# EAGLE board Mk4 Final a Panel score (EAGLE 9.0.1), part 2 of 24 (continued)
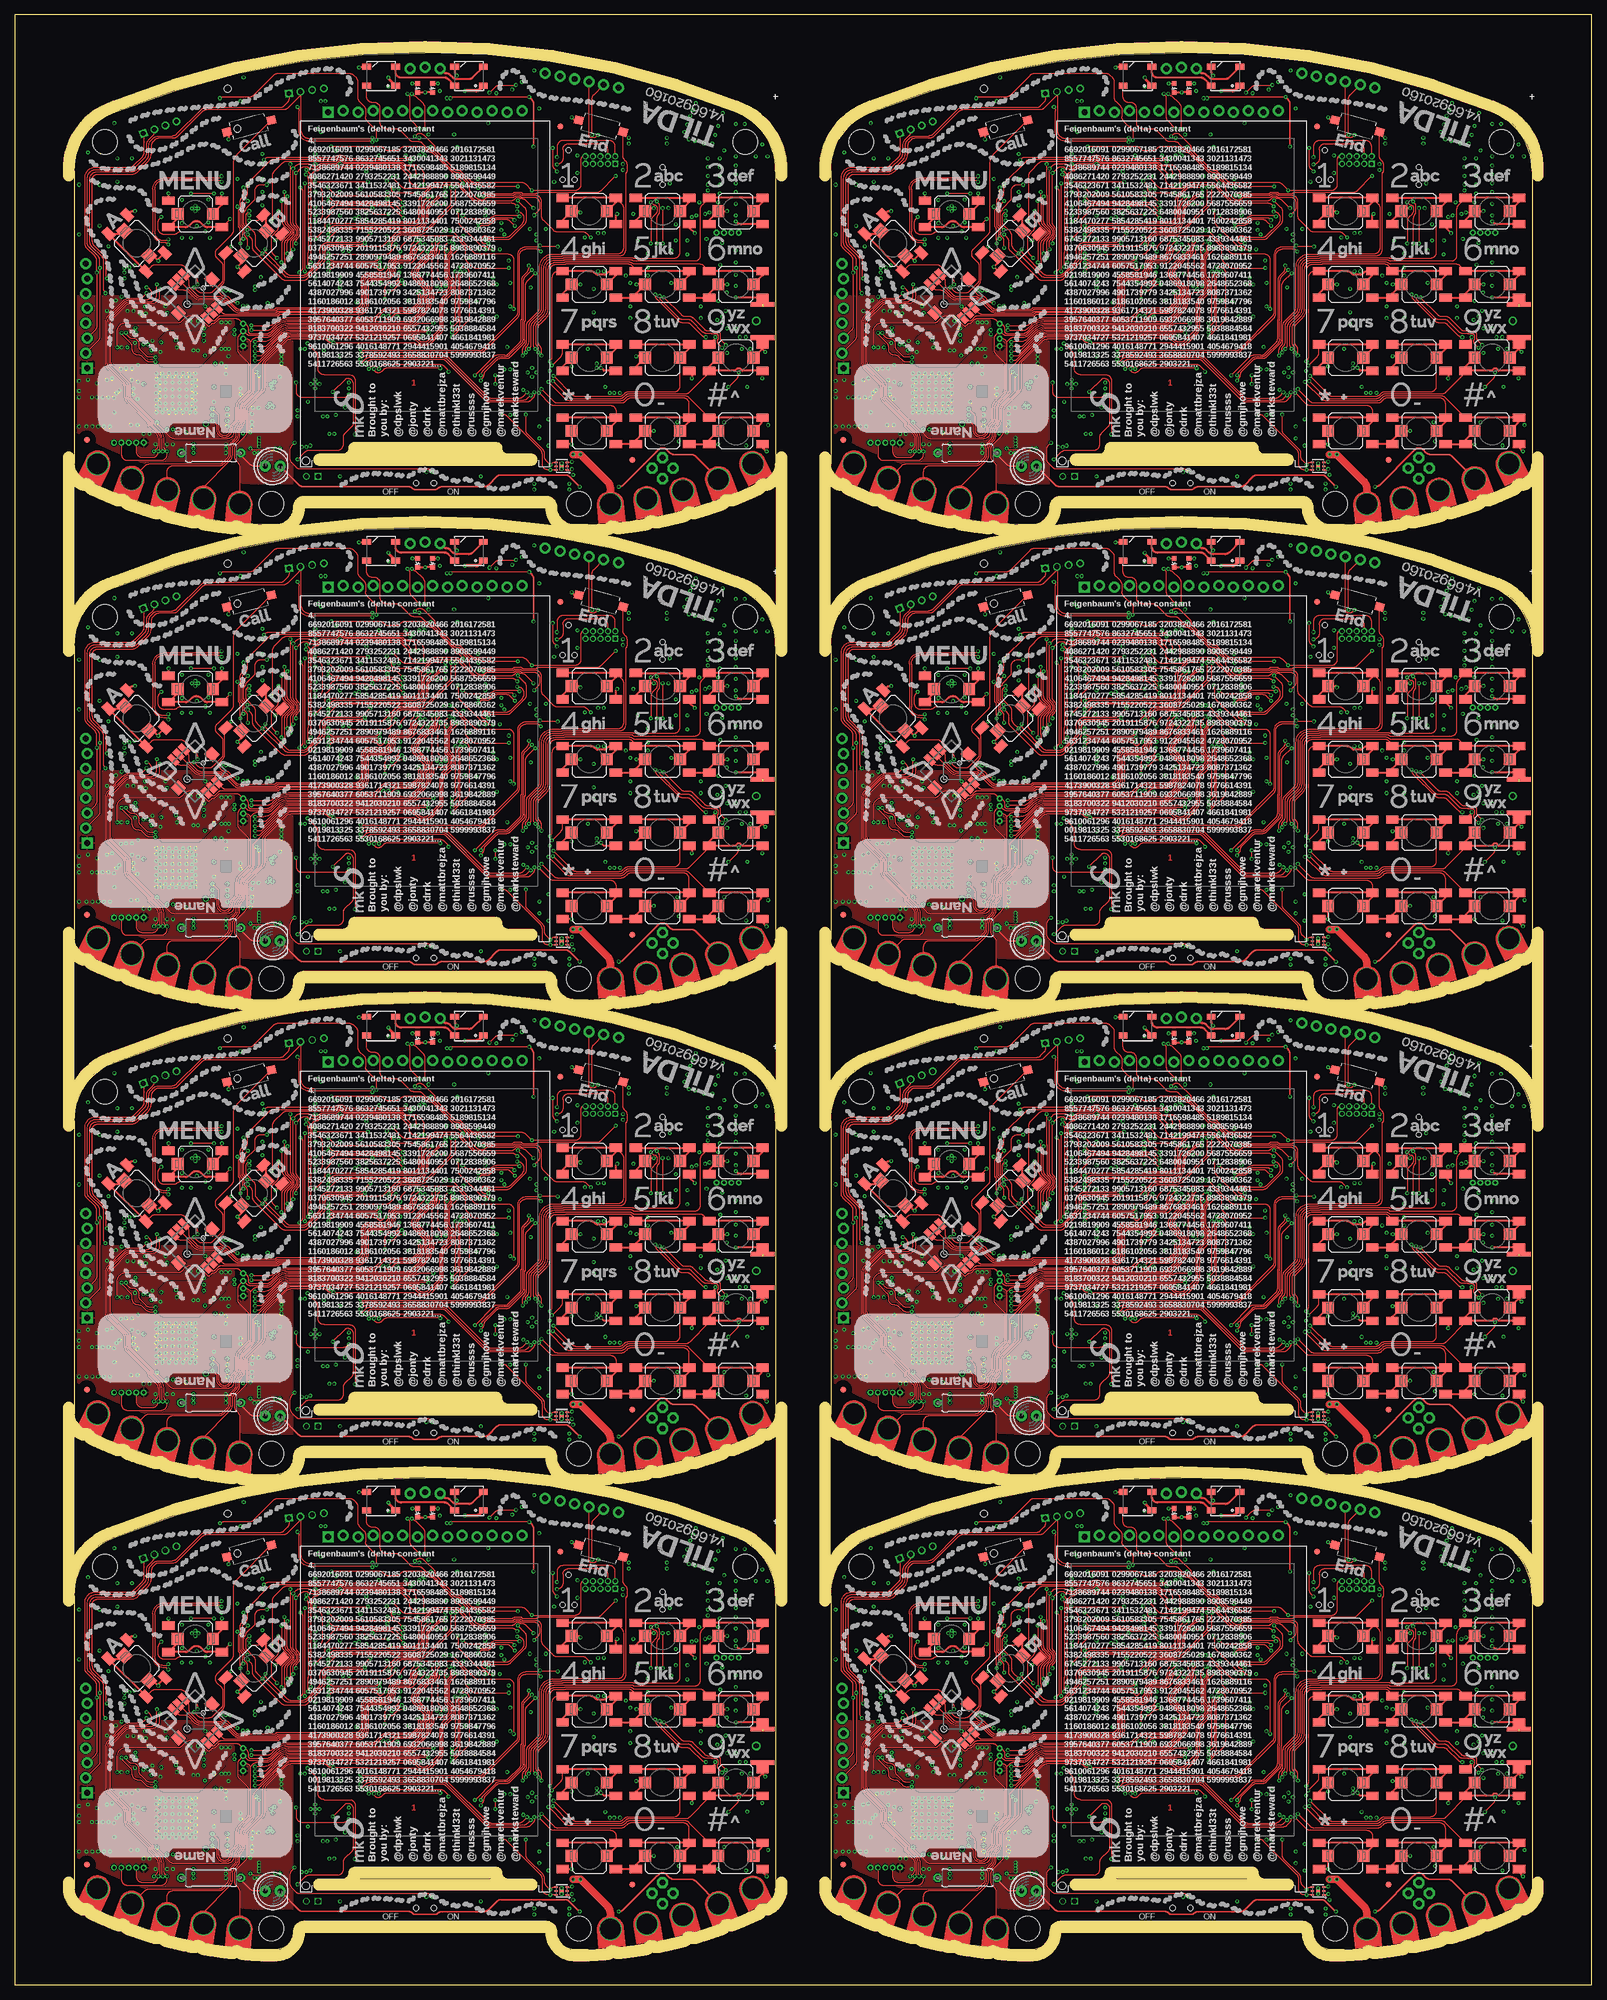
[diagram p0: board, top side]
## Placement (x,y rotation side) (continued)
FID29  FIDUCIAL1X2.5-STOP  [FIDUCIAL-1X2.5-STOP]  12.3,182.5 180 bottom
FID30  FIDUCIAL1X2.5-STOP  [FIDUCIAL-1X2.5-STOP]  12.3,182.5 180 top
FID31  FIDUCIAL1X2.5-STOP  [FIDUCIAL-1X2.5-STOP]  234.3,179.1 270 top
FID32  FIDUCIAL1X2.5-STOP  [FIDUCIAL-1X2.5-STOP]  222.1,235.9 180 bottom
FID33  FIDUCIAL1X2.5-STOP  [FIDUCIAL-1X2.5-STOP]  222.1,235.9 180 top
FID34  FIDUCIAL1X2.5-STOP  [FIDUCIAL-1X2.5-STOP]  234.3,179.1 270 bottom
FID35  FIDUCIAL1X2.5-STOP  [FIDUCIAL-1X2.5-STOP]  141.3,182.5 180 bottom
FID36  FIDUCIAL1X2.5-STOP  [FIDUCIAL-1X2.5-STOP]  141.3,182.5 180 top
FID37  FIDUCIAL1X2.5-STOP  [FIDUCIAL-1X2.5-STOP]  105.3,260.1 270 top
FID38  FIDUCIAL1X2.5-STOP  [FIDUCIAL-1X2.5-STOP]  93.1,316.9 180 bottom
FID39  FIDUCIAL1X2.5-STOP  [FIDUCIAL-1X2.5-STOP]  93.1,316.9 180 top
FID40  FIDUCIAL1X2.5-STOP  [FIDUCIAL-1X2.5-STOP]  105.3,260.1 270 bottom
FID41  FIDUCIAL1X2.5-STOP  [FIDUCIAL-1X2.5-STOP]  12.3,263.5 180 bottom
FID42  FIDUCIAL1X2.5-STOP  [FIDUCIAL-1X2.5-STOP]  12.3,263.5 180 top
FID43  FIDUCIAL1X2.5-STOP  [FIDUCIAL-1X2.5-STOP]  234.3,260.1 270 top
FID44  FIDUCIAL1X2.5-STOP  [FIDUCIAL-1X2.5-STOP]  222.1,316.9 180 bottom
FID45  FIDUCIAL1X2.5-STOP  [FIDUCIAL-1X2.5-STOP]  222.1,316.9 180 top
FID46  FIDUCIAL1X2.5-STOP  [FIDUCIAL-1X2.5-STOP]  234.3,260.1 270 bottom
FID47  FIDUCIAL1X2.5-STOP  [FIDUCIAL-1X2.5-STOP]  141.3,263.5 180 bottom
FID48  FIDUCIAL1X2.5-STOP  [FIDUCIAL-1X2.5-STOP]  141.3,263.5 180 top
FL1  DEA202450BT-1294C1-H  [DEA202450BT]  21,31.75 270 bottom
FL2  DEA202450BT-1294C1-H  [DEA202450BT]  150,31.75 270 bottom
FL3  DEA202450BT-1294C1-H  [DEA202450BT]  21,112.75 270 bottom
FL4  DEA202450BT-1294C1-H  [DEA202450BT]  150,112.75 270 bottom
FL5  DEA202450BT-1294C1-H  [DEA202450BT]  21,193.75 270 bottom
FL6  DEA202450BT-1294C1-H  [DEA202450BT]  150,193.75 270 bottom
FL7  DEA202450BT-1294C1-H  [DEA202450BT]  21,274.75 270 bottom
FL8  DEA202450BT-1294C1-H  [DEA202450BT]  150,274.75 270 bottom
IC1  MSP432E401  [QFP128-0.4]  70,59 0 bottom
IC2  AS4C4M16SA-7TCN  [TSOP54-400]  46.7,58.7 270 bottom
IC3  HDC2080DMBR  [SHT2X]  92.1,13 90 bottom
IC4  TCA9555RGER  [QFN-24]  88.25,32 270 bottom
IC5  SIM800C24 S2-10686-Z1L09  [SIM800C]  110.5,47 180 bottom
IC6  MX25R8035FM1IH1  [SO08-EIAJ]  82.7,49.15 270 bottom
IC7  TPD3E001DRL  [DRL-5]  86.25,79.5 90 bottom
IC8  BQ25601  [QFN-24]  51.25,30 270 bottom
IC9  TPS62822DLCR  [VSON-HR]  41.7,20.1 180 bottom
IC10  TPD3E001DRL  [DRL-5]  119.25,36.4 270 bottom
IC11  TLV9002IDGK  [VSSOP8]  91,60 180 bottom
IC12  SN74HC4066D  [SO14]  101,60.5 0 bottom
IC13  TPA2006D1  [VSON-8]  30.8,59.95 270 bottom
IC14  MX25R1635FM1IL0  [SO08-EIAJ]  23.75,46.25 90 bottom
IC15  CC3120R  [VQFN-64]  27.5,28.5 0 bottom
IC16  TMP102AIDRLR  [SOT563]  85,27 270 bottom
IC17  OPT3001DNPR  [USON-6]  93.3,16 180 top
IC18  DRV5055A1QDBZR  [SOT23-3]  98.25,15.25 180 bottom
IC19  AS4C4M16SA-7TCN  [TSOP54-400]  175.7,58.7 270 bottom
IC20  MSP432E401  [QFP128-0.4]  199,59 0 bottom
IC21  SIM800C24 S2-10686-Z1L09  [SIM800C]  239.5,47 180 bottom
IC22  MX25R8035FM1IH1  [SO08-EIAJ]  211.7,49.15 270 bottom
IC23  TPD3E001DRL  [DRL-5]  215.25,79.5 90 bottom
IC24  BQ25601  [QFN-24]  180.25,30 270 bottom
IC25  TPD3E001DRL  [DRL-5]  248.25,36.4 270 bottom
IC26  TLV9002IDGK  [VSSOP8]  220,60 180 bottom
IC27  SN74HC4066D  [SO14]  230,60.5 0 bottom
IC28  TPA2006D1  [VSON-8]  159.8,59.95 270 bottom
IC29  CC3120R  [VQFN-64]  156.5,28.5 0 bottom
IC30  MX25R1635FM1IL0  [SO08-EIAJ]  152.75,46.25 90 bottom
IC31  TCA9555RGER  [QFN-24]  217.25,32 270 bottom
IC32  TMP102AIDRLR  [SOT563]  214,27 270 bottom
IC33  TPS62822DLCR  [VSON-HR]  170.7,20.1 180 bottom
IC34  OPT3001DNPR  [USON-6]  222.3,16 180 top
IC35  HDC2080DMBR  [SHT2X]  221.1,13 90 bottom
IC36  DRV5055A1QDBZR  [SOT23-3]  227.25,15.25 180 bottom
IC37  AS4C4M16SA-7TCN  [TSOP54-400]  46.7,139.7 270 bottom
IC38  MSP432E401  [QFP128-0.4]  70,140 0 bottom
IC39  SIM800C24 S2-10686-Z1L09  [SIM800C]  110.5,128 180 bottom
IC40  MX25R8035FM1IH1  [SO08-EIAJ]  82.7,130.15 270 bottom
IC41  TPD3E001DRL  [DRL-5]  86.25,160.5 90 bottom
IC42  BQ25601  [QFN-24]  51.25,111 270 bottom
IC43  TPD3E001DRL  [DRL-5]  119.25,117.4 270 bottom
IC44  TLV9002IDGK  [VSSOP8]  91,141 180 bottom
IC45  SN74HC4066D  [SO14]  101,141.5 0 bottom
IC46  TPA2006D1  [VSON-8]  30.8,140.95 270 bottom
IC47  CC3120R  [VQFN-64]  27.5,109.5 0 bottom
IC48  MX25R1635FM1IL0  [SO08-EIAJ]  23.75,127.25 90 bottom
IC49  TCA9555RGER  [QFN-24]  88.25,113 270 bottom
IC50  TMP102AIDRLR  [SOT563]  85,108 270 bottom
IC51  TPS62822DLCR  [VSON-HR]  41.7,101.1 180 bottom
IC52  OPT3001DNPR  [USON-6]  93.3,97 180 top
IC53  HDC2080DMBR  [SHT2X]  92.1,94 90 bottom
IC54  DRV5055A1QDBZR  [SOT23-3]  98.25,96.25 180 bottom
IC55  AS4C4M16SA-7TCN  [TSOP54-400]  175.7,139.7 270 bottom
IC56  MSP432E401  [QFP128-0.4]  199,140 0 bottom
IC57  SIM800C24 S2-10686-Z1L09  [SIM800C]  239.5,128 180 bottom
IC58  MX25R8035FM1IH1  [SO08-EIAJ]  211.7,130.15 270 bottom
IC59  TPD3E001DRL  [DRL-5]  215.25,160.5 90 bottom
IC60  BQ25601  [QFN-24]  180.25,111 270 bottom
IC61  TPD3E001DRL  [DRL-5]  248.25,117.4 270 bottom
IC62  TLV9002IDGK  [VSSOP8]  220,141 180 bottom
IC63  SN74HC4066D  [SO14]  230,141.5 0 bottom
IC64  TPA2006D1  [VSON-8]  159.8,140.95 270 bottom
IC65  CC3120R  [VQFN-64]  156.5,109.5 0 bottom
IC66  MX25R1635FM1IL0  [SO08-EIAJ]  152.75,127.25 90 bottom
IC67  TCA9555RGER  [QFN-24]  217.25,113 270 bottom
IC68  TMP102AIDRLR  [SOT563]  214,108 270 bottom
IC69  TPS62822DLCR  [VSON-HR]  170.7,101.1 180 bottom
IC70  OPT3001DNPR  [USON-6]  222.3,97 180 top
IC71  HDC2080DMBR  [SHT2X]  221.1,94 90 bottom
IC72  DRV5055A1QDBZR  [SOT23-3]  227.25,96.25 180 bottom
IC73  AS4C4M16SA-7TCN  [TSOP54-400]  46.7,220.7 270 bottom
IC74  MSP432E401  [QFP128-0.4]  70,221 0 bottom
IC75  SIM800C24 S2-10686-Z1L09  [SIM800C]  110.5,209 180 bottom
IC76  MX25R8035FM1IH1  [SO08-EIAJ]  82.7,211.15 270 bottom
IC77  TPD3E001DRL  [DRL-5]  86.25,241.5 90 bottom
IC78  BQ25601  [QFN-24]  51.25,192 270 bottom
IC79  TPD3E001DRL  [DRL-5]  119.25,198.4 270 bottom
IC80  TLV9002IDGK  [VSSOP8]  91,222 180 bottom
IC81  SN74HC4066D  [SO14]  101,222.5 0 bottom
IC82  TPA2006D1  [VSON-8]  30.8,221.95 270 bottom
IC83  CC3120R  [VQFN-64]  27.5,190.5 0 bottom
IC84  MX25R1635FM1IL0  [SO08-EIAJ]  23.75,208.25 90 bottom
IC85  TCA9555RGER  [QFN-24]  88.25,194 270 bottom
IC86  TMP102AIDRLR  [SOT563]  85,189 270 bottom
IC87  TPS62822DLCR  [VSON-HR]  41.7,182.1 180 bottom
IC88  OPT3001DNPR  [USON-6]  93.3,178 180 top
IC89  HDC2080DMBR  [SHT2X]  92.1,175 90 bottom
IC90  DRV5055A1QDBZR  [SOT23-3]  98.25,177.25 180 bottom
IC91  AS4C4M16SA-7TCN  [TSOP54-400]  175.7,220.7 270 bottom
IC92  MSP432E401  [QFP128-0.4]  199,221 0 bottom
IC93  SIM800C24 S2-10686-Z1L09  [SIM800C]  239.5,209 180 bottom
IC94  MX25R8035FM1IH1  [SO08-EIAJ]  211.7,211.15 270 bottom
IC95  TPD3E001DRL  [DRL-5]  215.25,241.5 90 bottom
IC96  BQ25601  [QFN-24]  180.25,192 270 bottom
IC97  TPD3E001DRL  [DRL-5]  248.25,198.4 270 bottom
IC98  TLV9002IDGK  [VSSOP8]  220,222 180 bottom
IC99  SN74HC4066D  [SO14]  230,222.5 0 bottom
IC100  TPA2006D1  [VSON-8]  159.8,221.95 270 bottom
IC101  CC3120R  [VQFN-64]  156.5,190.5 0 bottom
IC102  MX25R1635FM1IL0  [SO08-EIAJ]  152.75,208.25 90 bottom
IC103  TCA9555RGER  [QFN-24]  217.25,194 270 bottom
IC104  TMP102AIDRLR  [SOT563]  214,189 270 bottom
IC105  TPS62822DLCR  [VSON-HR]  170.7,182.1 180 bottom
IC106  OPT3001DNPR  [USON-6]  222.3,178 180 top
IC107  HDC2080DMBR  [SHT2X]  221.1,175 90 bottom
IC108  DRV5055A1QDBZR  [SOT23-3]  227.25,177.25 180 bottom
IC109  AS4C4M16SA-7TCN  [TSOP54-400]  46.7,301.7 270 bottom
IC110  MSP432E401  [QFP128-0.4]  70,302 0 bottom
IC111  SIM800C24 S2-10686-Z1L09  [SIM800C]  110.5,290 180 bottom
IC112  MX25R8035FM1IH1  [SO08-EIAJ]  82.7,292.15 270 bottom
IC113  TPD3E001DRL  [DRL-5]  86.25,322.5 90 bottom
IC114  BQ25601  [QFN-24]  51.25,273 270 bottom
IC115  TPD3E001DRL  [DRL-5]  119.25,279.4 270 bottom
IC116  TLV9002IDGK  [VSSOP8]  91,303 180 bottom
IC117  SN74HC4066D  [SO14]  101,303.5 0 bottom
IC118  TPA2006D1  [VSON-8]  30.8,302.95 270 bottom
IC119  CC3120R  [VQFN-64]  27.5,271.5 0 bottom
IC120  MX25R1635FM1IL0  [SO08-EIAJ]  23.75,289.25 90 bottom
IC121  TCA9555RGER  [QFN-24]  88.25,275 270 bottom
IC122  TMP102AIDRLR  [SOT563]  85,270 270 bottom
IC123  TPS62822DLCR  [VSON-HR]  41.7,263.1 180 bottom
IC124  OPT3001DNPR  [USON-6]  93.3,259 180 top
IC125  HDC2080DMBR  [SHT2X]  92.1,256 90 bottom
IC126  DRV5055A1QDBZR  [SOT23-3]  98.25,258.25 180 bottom
IC127  AS4C4M16SA-7TCN  [TSOP54-400]  175.7,301.7 270 bottom
IC128  MSP432E401  [QFP128-0.4]  199,302 0 bottom
IC129  SIM800C24 S2-10686-Z1L09  [SIM800C]  239.5,290 180 bottom
IC130  MX25R8035FM1IH1  [SO08-EIAJ]  211.7,292.15 270 bottom
IC131  TPD3E001DRL  [DRL-5]  215.25,322.5 90 bottom
IC132  BQ25601  [QFN-24]  180.25,273 270 bottom
IC133  TPD3E001DRL  [DRL-5]  248.25,279.4 270 bottom
IC134  TLV9002IDGK  [VSSOP8]  220,303 180 bottom
IC135  SN74HC4066D  [SO14]  230,303.5 0 bottom
IC136  TPA2006D1  [VSON-8]  159.8,302.95 270 bottom
IC137  CC3120R  [VQFN-64]  156.5,271.5 0 bottom
IC138  MX25R1635FM1IL0  [SO08-EIAJ]  152.75,289.25 90 bottom
IC139  TCA9555RGER  [QFN-24]  217.25,275 270 bottom
IC140  TMP102AIDRLR  [SOT563]  214,270 270 bottom
IC141  TPS62822DLCR  [VSON-HR]  170.7,263.1 180 bottom
IC142  OPT3001DNPR  [USON-6]  222.3,259 180 top
IC143  HDC2080DMBR  [SHT2X]  221.1,256 90 bottom
IC144  DRV5055A1QDBZR  [SOT23-3]  227.25,258.25 180 bottom
J1  78723-1001  [MSIM-MOLEX-LWK]  127.5,28.25 180 bottom
J2  ER-CON50HT-1  [FH12-50S-0.5SH]  70,39.5 0 bottom
J3  2x5 1.27mm  [PINHEAD_2X05_127]  99.9,68.2 0 bottom
J4  GSM-COIL-ANT  [GSM-ANTENNA]  126.5,40.75 0 bottom
J5  S2B-PH-SM4-TB(LF)(SN)  [JST-2-SMD]  98.8,21.8 90 bottom
J6  ER-CON50HT-1  [FH12-50S-0.5SH]  199,39.5 0 bottom
J7  SMA-142-0711-821/826  [J502-ND-142-0711-821/826-LWK1]  129.8,40.75 0 bottom
J8  H4P-SMD-2.0  [HW4-2.0-SWD-COMBINED]  49.75,80 172 bottom
J9  PJ-393-A  [PJ-393-A]  35.75,82.6 256 bottom
J10  H4P-SMD-2.0  [HW4-2.0-SWD-COMBINED]  24.75,73.75 160 bottom
J11  M02X2  [2X2]  110.5,15.65 315 bottom
J12  S2B-PH-SM4-TB(LF)(SN)  [JST-2-SMD]  227.8,21.8 90 bottom
J13  2x5 1.27mm  [PINHEAD_2X05_127]  228.9,68.2 0 bottom
J14  78723-1001  [MSIM-MOLEX-LWK]  256.5,28.25 180 bottom
J15  GSM-COIL-ANT  [GSM-ANTENNA]  255.5,40.75 0 bottom
J16  H4P-SMD-2.0  [HW4-2.0-SWD-COMBINED]  153.75,73.75 160 bottom
J17  PJ-393-A  [PJ-393-A]  164.75,82.6 256 bottom
J18  H4P-SMD-2.0  [HW4-2.0-SWD-COMBINED]  178.75,80 172 bottom
J19  SMA-142-0711-821/826  [J502-ND-142-0711-821/826-LWK1]  258.8,40.75 0 bottom
J20  M02X2  [2X2]  239.5,15.65 315 bottom
J21  ER-CON50HT-1  [FH12-50S-0.5SH]  70,120.5 0 bottom
J22  S2B-PH-SM4-TB(LF)(SN)  [JST-2-SMD]  98.8,102.8 90 bottom
J23  2x5 1.27mm  [PINHEAD_2X05_127]  99.9,149.2 0 bottom
J24  78723-1001  [MSIM-MOLEX-LWK]  127.5,109.25 180 bottom
J25  GSM-COIL-ANT  [GSM-ANTENNA]  126.5,121.75 0 bottom
J26  H4P-SMD-2.0  [HW4-2.0-SWD-COMBINED]  24.75,154.75 160 bottom
J27  PJ-393-A  [PJ-393-A]  35.75,163.6 256 bottom
J28  H4P-SMD-2.0  [HW4-2.0-SWD-COMBINED]  49.75,161 172 bottom
J29  SMA-142-0711-821/826  [J502-ND-142-0711-821/826-LWK1]  129.8,121.75 0 bottom
J30  M02X2  [2X2]  110.5,96.65 315 bottom
J31  ER-CON50HT-1  [FH12-50S-0.5SH]  199,120.5 0 bottom
J32  S2B-PH-SM4-TB(LF)(SN)  [JST-2-SMD]  227.8,102.8 90 bottom
J33  2x5 1.27mm  [PINHEAD_2X05_127]  228.9,149.2 0 bottom
J34  78723-1001  [MSIM-MOLEX-LWK]  256.5,109.25 180 bottom
J35  GSM-COIL-ANT  [GSM-ANTENNA]  255.5,121.75 0 bottom
J36  H4P-SMD-2.0  [HW4-2.0-SWD-COMBINED]  153.75,154.75 160 bottom
J37  PJ-393-A  [PJ-393-A]  164.75,163.6 256 bottom
J38  H4P-SMD-2.0  [HW4-2.0-SWD-COMBINED]  178.75,161 172 bottom
J39  SMA-142-0711-821/826  [J502-ND-142-0711-821/826-LWK1]  258.8,121.75 0 bottom
J40  M02X2  [2X2]  239.5,96.65 315 bottom
J41  ER-CON50HT-1  [FH12-50S-0.5SH]  70,201.5 0 bottom
J42  S2B-PH-SM4-TB(LF)(SN)  [JST-2-SMD]  98.8,183.8 90 bottom
J43  2x5 1.27mm  [PINHEAD_2X05_127]  99.9,230.2 0 bottom
J44  78723-1001  [MSIM-MOLEX-LWK]  127.5,190.25 180 bottom
J45  GSM-COIL-ANT  [GSM-ANTENNA]  126.5,202.75 0 bottom
J46  H4P-SMD-2.0  [HW4-2.0-SWD-COMBINED]  24.75,235.75 160 bottom
J47  PJ-393-A  [PJ-393-A]  35.75,244.6 256 bottom
J48  H4P-SMD-2.0  [HW4-2.0-SWD-COMBINED]  49.75,242 172 bottom
J49  SMA-142-0711-821/826  [J502-ND-142-0711-821/826-LWK1]  129.8,202.75 0 bottom
J50  M02X2  [2X2]  110.5,177.65 315 bottom
J51  ER-CON50HT-1  [FH12-50S-0.5SH]  199,201.5 0 bottom
J52  S2B-PH-SM4-TB(LF)(SN)  [JST-2-SMD]  227.8,183.8 90 bottom
J53  2x5 1.27mm  [PINHEAD_2X05_127]  228.9,230.2 0 bottom
J54  78723-1001  [MSIM-MOLEX-LWK]  256.5,190.25 180 bottom
J55  GSM-COIL-ANT  [GSM-ANTENNA]  255.5,202.75 0 bottom
J56  H4P-SMD-2.0  [HW4-2.0-SWD-COMBINED]  153.75,235.75 160 bottom
J57  PJ-393-A  [PJ-393-A]  164.75,244.6 256 bottom
J58  H4P-SMD-2.0  [HW4-2.0-SWD-COMBINED]  178.75,242 172 bottom
J59  SMA-142-0711-821/826  [J502-ND-142-0711-821/826-LWK1]  258.8,202.75 0 bottom
J60  M02X2  [2X2]  239.5,177.65 315 bottom
J61  ER-CON50HT-1  [FH12-50S-0.5SH]  70,282.5 0 bottom
J62  S2B-PH-SM4-TB(LF)(SN)  [JST-2-SMD]  98.8,264.8 90 bottom
J63  2x5 1.27mm  [PINHEAD_2X05_127]  99.9,311.2 0 bottom
J64  78723-1001  [MSIM-MOLEX-LWK]  127.5,271.25 180 bottom
J65  GSM-COIL-ANT  [GSM-ANTENNA]  126.5,283.75 0 bottom
J66  H4P-SMD-2.0  [HW4-2.0-SWD-COMBINED]  24.75,316.75 160 bottom
J67  PJ-393-A  [PJ-393-A]  35.75,325.6 256 bottom
J68  H4P-SMD-2.0  [HW4-2.0-SWD-COMBINED]  49.75,323 172 bottom
J69  SMA-142-0711-821/826  [J502-ND-142-0711-821/826-LWK1]  129.8,283.75 0 bottom
J70  M02X2  [2X2]  110.5,258.65 315 bottom
J71  ER-CON50HT-1  [FH12-50S-0.5SH]  199,282.5 0 bottom
J72  S2B-PH-SM4-TB(LF)(SN)  [JST-2-SMD]  227.8,264.8 90 bottom
J73  2x5 1.27mm  [PINHEAD_2X05_127]  228.9,311.2 0 bottom
J74  78723-1001  [MSIM-MOLEX-LWK]  256.5,271.25 180 bottom
J75  GSM-COIL-ANT  [GSM-ANTENNA]  255.5,283.75 0 bottom
J76  H4P-SMD-2.0  [HW4-2.0-SWD-COMBINED]  153.75,316.75 160 bottom
J77  PJ-393-A  [PJ-393-A]  164.75,325.6 256 bottom
J78  H4P-SMD-2.0  [HW4-2.0-SWD-COMBINED]  178.75,323 172 bottom
J79  SMA-142-0711-821/826  [J502-ND-142-0711-821/826-LWK1]  258.8,283.75 0 bottom
J80  M02X2  [2X2]  239.5,258.65 315 bottom
JP1  1x5 1.27mm  [1X05-1.27MM]  22.02,20 0 bottom
JP2  1x03  [1X03_LOCK]  67.46,83.9 180 bottom
JP3  1x02 2MM  [1X02_2MM]  51.75,14.25 0 bottom
JP4  TC2030-MCP-NL  [TC2030-MCP-NL]  94.45,69.9 270 bottom
JP5  1x4 1.27mm  [1X04-1.27MM]  39,36.5 90 bottom
JP6  1x8  [1X08_LOCK]  12.25,32.75 90 bottom
JP7  1x14  [1X14_LOCK]  53.49,76.5 180 bottom
JP8  1x6  [1X06]  90.5,83 191 bottom
JP9  1x04_1.27MM  [1X04-1.27MM]  123.5,55.8 0 bottom
JP10  TC2030-MCP-NL  [TC2030-MCP-NL]  223.45,69.9 270 bottom
JP11  1x03  [1X03_LOCK]  196.46,83.9 180 bottom
JP12  1x14  [1X14_LOCK]  182.49,76.5 180 bottom
JP13  1x02 2MM  [1X02_2MM]  180.75,14.25 0 bottom
JP14  1x04_1.27MM  [1X04-1.27MM]  252.5,55.8 0 bottom
JP15  1x5 1.27mm  [1X05-1.27MM]  151.02,20 0 bottom
JP16  1x4 1.27mm  [1X04-1.27MM]  168,36.5 90 bottom
JP17  1x8  [1X08_LOCK]  141.25,32.75 90 bottom
JP18  1x6  [1X06]  219.5,83 191 bottom
JP19  TC2030-MCP-NL  [TC2030-MCP-NL]  94.45,150.9 270 bottom
JP20  1x03  [1X03_LOCK]  67.46,164.9 180 bottom
JP21  1x14  [1X14_LOCK]  53.49,157.5 180 bottom
JP22  1x02 2MM  [1X02_2MM]  51.75,95.25 0 bottom
JP23  1x04_1.27MM  [1X04-1.27MM]  123.5,136.8 0 bottom
JP24  1x5 1.27mm  [1X05-1.27MM]  22.02,101 0 bottom
JP25  1x4 1.27mm  [1X04-1.27MM]  39,117.5 90 bottom
JP26  1x8  [1X08_LOCK]  12.25,113.75 90 bottom
JP27  1x6  [1X06]  90.5,164 191 bottom
JP28  TC2030-MCP-NL  [TC2030-MCP-NL]  223.45,150.9 270 bottom
JP29  1x03  [1X03_LOCK]  196.46,164.9 180 bottom
JP30  1x14  [1X14_LOCK]  182.49,157.5 180 bottom
JP31  1x02 2MM  [1X02_2MM]  180.75,95.25 0 bottom
JP32  1x04_1.27MM  [1X04-1.27MM]  252.5,136.8 0 bottom
JP33  1x5 1.27mm  [1X05-1.27MM]  151.02,101 0 bottom
JP34  1x4 1.27mm  [1X04-1.27MM]  168,117.5 90 bottom
JP35  1x8  [1X08_LOCK]  141.25,113.75 90 bottom
JP36  1x6  [1X06]  219.5,164 191 bottom
JP37  TC2030-MCP-NL  [TC2030-MCP-NL]  94.45,231.9 270 bottom
JP38  1x03  [1X03_LOCK]  67.46,245.9 180 bottom
JP39  1x14  [1X14_LOCK]  53.49,238.5 180 bottom
JP40  1x02 2MM  [1X02_2MM]  51.75,176.25 0 bottom
JP41  1x04_1.27MM  [1X04-1.27MM]  123.5,217.8 0 bottom
JP42  1x5 1.27mm  [1X05-1.27MM]  22.02,182 0 bottom
JP43  1x4 1.27mm  [1X04-1.27MM]  39,198.5 90 bottom
JP44  1x8  [1X08_LOCK]  12.25,194.75 90 bottom
JP45  1x6  [1X06]  90.5,245 191 bottom
JP46  TC2030-MCP-NL  [TC2030-MCP-NL]  223.45,231.9 270 bottom
JP47  1x03  [1X03_LOCK]  196.46,245.9 180 bottom
JP48  1x14  [1X14_LOCK]  182.49,238.5 180 bottom
JP49  1x02 2MM  [1X02_2MM]  180.75,176.25 0 bottom
JP50  1x04_1.27MM  [1X04-1.27MM]  252.5,217.8 0 bottom
JP51  1x5 1.27mm  [1X05-1.27MM]  151.02,182 0 bottom
JP52  1x4 1.27mm  [1X04-1.27MM]  168,198.5 90 bottom
JP53  1x8  [1X08_LOCK]  141.25,194.75 90 bottom
JP54  1x6  [1X06]  219.5,245 191 bottom
JP55  TC2030-MCP-NL  [TC2030-MCP-NL]  94.45,312.9 270 bottom
JP56  1x03  [1X03_LOCK]  67.46,326.9 180 bottom
JP57  1x14  [1X14_LOCK]  53.49,319.5 180 bottom
JP58  1x02 2MM  [1X02_2MM]  51.75,257.25 0 bottom
JP59  1x04_1.27MM  [1X04-1.27MM]  123.5,298.8 0 bottom
JP60  1x5 1.27mm  [1X05-1.27MM]  22.02,263 0 bottom
JP61  1x4 1.27mm  [1X04-1.27MM]  39,279.5 90 bottom
JP62  1x8  [1X08_LOCK]  12.25,275.75 90 bottom
JP63  1x6  [1X06]  90.5,326 191 bottom
JP64  TC2030-MCP-NL  [TC2030-MCP-NL]  223.45,312.9 270 bottom
JP65  1x03  [1X03_LOCK]  196.46,326.9 180 bottom
JP66  1x14  [1X14_LOCK]  182.49,319.5 180 bottom
JP67  1x02 2MM  [1X02_2MM]  180.75,257.25 0 bottom
JP68  1x04_1.27MM  [1X04-1.27MM]  252.5,298.8 0 bottom
JP69  1x5 1.27mm  [1X05-1.27MM]  151.02,263 0 bottom
JP70  1x4 1.27mm  [1X04-1.27MM]  168,279.5 90 bottom
JP71  1x8  [1X08_LOCK]  141.25,275.75 90 bottom
JP72  1x6  [1X06]  219.5,326 191 bottom
L1  SRN2512-2R2M  [1008]  46.25,25.75 270 bottom
L2  BLM18KG121TN1D  [WUERTH-0805]  76.5,78.75 0 bottom
L3  0402/0R/5%  [L0402]  122.5,43 270 bottom
L4  DFE201610E-R47M=P2  [0806]  45.5,21.15 90 bottom
L5  0402/0R/5%  [L0402]  120.75,72.5 110 bottom
L6  0402/0R/5%  [L0402]  14,29 0 bottom
L7  LQM2HPN2R2MG0L  [1008]  24.5,39.2 180 bottom
L8  LQM2HPN1R0MG0L  [1008]  27.5,39.5 270 bottom
L9  LQM2HPN2R2MG0L  [1008]  34,38 270 bottom
L10  BLM18KG121TN1D  [WUERTH-0805]  205.5,78.75 0 bottom
L11  DFE201610E-R47M=P2  [0806]  174.5,21.15 90 bottom
L12  SRN2512-2R2M  [1008]  175.25,25.75 270 bottom
L13  0402/0R/5%  [L0402]  251.5,43 270 bottom
L14  0402/0R/5%  [L0402]  249.75,72.5 110 bottom
L15  0402/0R/5%  [L0402]  143,29 0 bottom
L16  LQM2HPN2R2MG0L  [1008]  153.5,39.2 180 bottom
L17  LQM2HPN1R0MG0L  [1008]  156.5,39.5 270 bottom
L18  LQM2HPN2R2MG0L  [1008]  163,38 270 bottom
L19  BLM18KG121TN1D  [WUERTH-0805]  76.5,159.75 0 bottom
L20  DFE201610E-R47M=P2  [0806]  45.5,102.15 90 bottom
L21  SRN2512-2R2M  [1008]  46.25,106.75 270 bottom
L22  0402/0R/5%  [L0402]  122.5,124 270 bottom
L23  0402/0R/5%  [L0402]  120.75,153.5 110 bottom
L24  0402/0R/5%  [L0402]  14,110 0 bottom
L25  LQM2HPN2R2MG0L  [1008]  24.5,120.2 180 bottom
L26  LQM2HPN1R0MG0L  [1008]  27.5,120.5 270 bottom
L27  LQM2HPN2R2MG0L  [1008]  34,119 270 bottom
L28  BLM18KG121TN1D  [WUERTH-0805]  205.5,159.75 0 bottom
L29  DFE201610E-R47M=P2  [0806]  174.5,102.15 90 bottom
L30  SRN2512-2R2M  [1008]  175.25,106.75 270 bottom
L31  0402/0R/5%  [L0402]  251.5,124 270 bottom
L32  0402/0R/5%  [L0402]  249.75,153.5 110 bottom
L33  0402/0R/5%  [L0402]  143,110 0 bottom
L34  LQM2HPN2R2MG0L  [1008]  153.5,120.2 180 bottom
L35  LQM2HPN1R0MG0L  [1008]  156.5,120.5 270 bottom
L36  LQM2HPN2R2MG0L  [1008]  163,119 270 bottom
L37  BLM18KG121TN1D  [WUERTH-0805]  76.5,240.75 0 bottom
L38  DFE201610E-R47M=P2  [0806]  45.5,183.15 90 bottom
L39  SRN2512-2R2M  [1008]  46.25,187.75 270 bottom
L40  0402/0R/5%  [L0402]  122.5,205 270 bottom
L41  0402/0R/5%  [L0402]  120.75,234.5 110 bottom
L42  0402/0R/5%  [L0402]  14,191 0 bottom
L43  LQM2HPN2R2MG0L  [1008]  24.5,201.2 180 bottom
L44  LQM2HPN1R0MG0L  [1008]  27.5,201.5 270 bottom
L45  LQM2HPN2R2MG0L  [1008]  34,200 270 bottom
L46  BLM18KG121TN1D  [WUERTH-0805]  205.5,240.75 0 bottom
L47  DFE201610E-R47M=P2  [0806]  174.5,183.15 90 bottom
L48  SRN2512-2R2M  [1008]  175.25,187.75 270 bottom
L49  0402/0R/5%  [L0402]  251.5,205 270 bottom
L50  0402/0R/5%  [L0402]  249.75,234.5 110 bottom
L51  0402/0R/5%  [L0402]  143,191 0 bottom
L52  LQM2HPN2R2MG0L  [1008]  153.5,201.2 180 bottom
L53  LQM2HPN1R0MG0L  [1008]  156.5,201.5 270 bottom
L54  LQM2HPN2R2MG0L  [1008]  163,200 270 bottom
L55  BLM18KG121TN1D  [WUERTH-0805]  76.5,321.75 0 bottom
L56  DFE201610E-R47M=P2  [0806]  45.5,264.15 90 bottom
L57  SRN2512-2R2M  [1008]  46.25,268.75 270 bottom
L58  0402/0R/5%  [L0402]  122.5,286 270 bottom
L59  0402/0R/5%  [L0402]  120.75,315.5 110 bottom
L60  0402/0R/5%  [L0402]  14,272 0 bottom
L61  LQM2HPN2R2MG0L  [1008]  24.5,282.2 180 bottom
L62  LQM2HPN1R0MG0L  [1008]  27.5,282.5 270 bottom
L63  LQM2HPN2R2MG0L  [1008]  34,281 270 bottom
L64  BLM18KG121TN1D  [WUERTH-0805]  205.5,321.75 0 bottom
L65  DFE201610E-R47M=P2  [0806]  174.5,264.15 90 bottom
L66  SRN2512-2R2M  [1008]  175.25,268.75 270 bottom
L67  0402/0R/5%  [L0402]  251.5,286 270 bottom
L68  0402/0R/5%  [L0402]  249.75,315.5 110 bottom
L69  0402/0R/5%  [L0402]  143,272 0 bottom
L70  LQM2HPN2R2MG0L  [1008]  153.5,282.2 180 bottom
L71  LQM2HPN1R0MG0L  [1008]  156.5,282.5 270 bottom
L72  LQM2HPN2R2MG0L  [1008]  163,281 270 bottom
LAYERS1  LAYER_NUMBRS_4_SMALL  [LAYER_NUMBERS_4_SMALL]  67.5,29.5 0 top
LAYERS2  LAYER_NUMBRS_4_SMALL  [LAYER_NUMBERS_4_SMALL]  196.5,29.5 0 top
LAYERS3  LAYER_NUMBRS_4_SMALL  [LAYER_NUMBERS_4_SMALL]  67.5,110.5 0 top
LAYERS4  LAYER_NUMBRS_4_SMALL  [LAYER_NUMBERS_4_SMALL]  196.5,110.5 0 top
LAYERS5  LAYER_NUMBRS_4_SMALL  [LAYER_NUMBERS_4_SMALL]  67.5,191.5 0 top
LAYERS6  LAYER_NUMBRS_4_SMALL  [LAYER_NUMBERS_4_SMALL]  196.5,191.5 0 top
LAYERS7  LAYER_NUMBRS_4_SMALL  [LAYER_NUMBERS_4_SMALL]  67.5,272.5 0 top
LAYERS8  LAYER_NUMBRS_4_SMALL  [LAYER_NUMBERS_4_SMALL]  196.5,272.5 0 top
LCD  ER-TFT024-3  [ER-TFT024-3]  70,39.5 0 top
LCD1  ER-TFT024-3  [ER-TFT024-3]  199,39.5 0 top
LCD2  ER-TFT024-3  [ER-TFT024-3]  70,120.5 0 top
LCD3  ER-TFT024-3  [ER-TFT024-3]  199,120.5 0 top
LCD4  ER-TFT024-3  [ER-TFT024-3]  70,201.5 0 top
LCD5  ER-TFT024-3  [ER-TFT024-3]  199,201.5 0 top
LCD6  ER-TFT024-3  [ER-TFT024-3]  70,282.5 0 top
LCD7  ER-TFT024-3  [ER-TFT024-3]  199,282.5 0 top
LED1  WS2812B  [WS2812B]  62.5,82.5 180 top
LED2  WS2812B  [WS2812B]  77.5,82.5 180 top
LED3  0603 RED  [LED-0603-CORRECT]  71.27,80.5 90 top
LED4  0603 GREEN  [LED-0603-CORRECT]  68.73,80.5 90 top
LED5  LED 5MM  [LED5MM]  44,16 0 top
LED6  0603 RED  [LED-0603-CORRECT]  53.75,34.75 180 bottom
LED7  WS2812B  [WS2812B]  191.5,82.5 180 top
LED8  WS2812B  [WS2812B]  206.5,82.5 180 top
LED9  0603 RED  [LED-0603-CORRECT]  200.27,80.5 90 top
LED10  0603 GREEN  [LED-0603-CORRECT]  197.73,80.5 90 top
LED11  LED 5MM  [LED5MM]  173,16 0 top
LED12  0603 RED  [LED-0603-CORRECT]  182.75,34.75 180 bottom
LED13  WS2812B  [WS2812B]  62.5,163.5 180 top
LED14  WS2812B  [WS2812B]  77.5,163.5 180 top
LED15  0603 RED  [LED-0603-CORRECT]  71.27,161.5 90 top
LED16  0603 GREEN  [LED-0603-CORRECT]  68.73,161.5 90 top
LED17  LED 5MM  [LED5MM]  44,97 0 top
LED18  0603 RED  [LED-0603-CORRECT]  53.75,115.75 180 bottom
LED19  WS2812B  [WS2812B]  191.5,163.5 180 top
LED20  WS2812B  [WS2812B]  206.5,163.5 180 top
LED21  0603 RED  [LED-0603-CORRECT]  200.27,161.5 90 top
LED22  0603 GREEN  [LED-0603-CORRECT]  197.73,161.5 90 top
LED23  LED 5MM  [LED5MM]  173,97 0 top
LED24  0603 RED  [LED-0603-CORRECT]  182.75,115.75 180 bottom
LED25  WS2812B  [WS2812B]  62.5,244.5 180 top
LED26  WS2812B  [WS2812B]  77.5,244.5 180 top
LED27  0603 RED  [LED-0603-CORRECT]  71.27,242.5 90 top
LED28  0603 GREEN  [LED-0603-CORRECT]  68.73,242.5 90 top
LED29  LED 5MM  [LED5MM]  44,178 0 top
LED30  0603 RED  [LED-0603-CORRECT]  53.75,196.75 180 bottom
LED31  WS2812B  [WS2812B]  191.5,244.5 180 top
LED32  WS2812B  [WS2812B]  206.5,244.5 180 top
LED33  0603 RED  [LED-0603-CORRECT]  200.27,242.5 90 top
LED34  0603 GREEN  [LED-0603-CORRECT]  197.73,242.5 90 top
LED35  LED 5MM  [LED5MM]  173,178 0 top
LED36  0603 RED  [LED-0603-CORRECT]  182.75,196.75 180 bottom
LED37  WS2812B  [WS2812B]  62.5,325.5 180 top
LED38  WS2812B  [WS2812B]  77.5,325.5 180 top
LED39  0603 RED  [LED-0603-CORRECT]  71.27,323.5 90 top
LED40  0603 GREEN  [LED-0603-CORRECT]  68.73,323.5 90 top
LED41  LED 5MM  [LED5MM]  44,259 0 top
LED42  0603 RED  [LED-0603-CORRECT]  53.75,277.75 180 bottom
LED43  WS2812B  [WS2812B]  191.5,325.5 180 top
LED44  WS2812B  [WS2812B]  206.5,325.5 180 top
LED45  0603 RED  [LED-0603-CORRECT]  200.27,323.5 90 top
LED46  0603 GREEN  [LED-0603-CORRECT]  197.73,323.5 90 top
LED47  LED 5MM  [LED5MM]  173,259 0 top
LED48  0603 RED  [LED-0603-CORRECT]  182.75,277.75 180 bottom
LOGO1  LOGO_SIM  [SIM_ICON]  109,26 0 bottom